# KiCad board EOutside.kicad_pcb (continued)
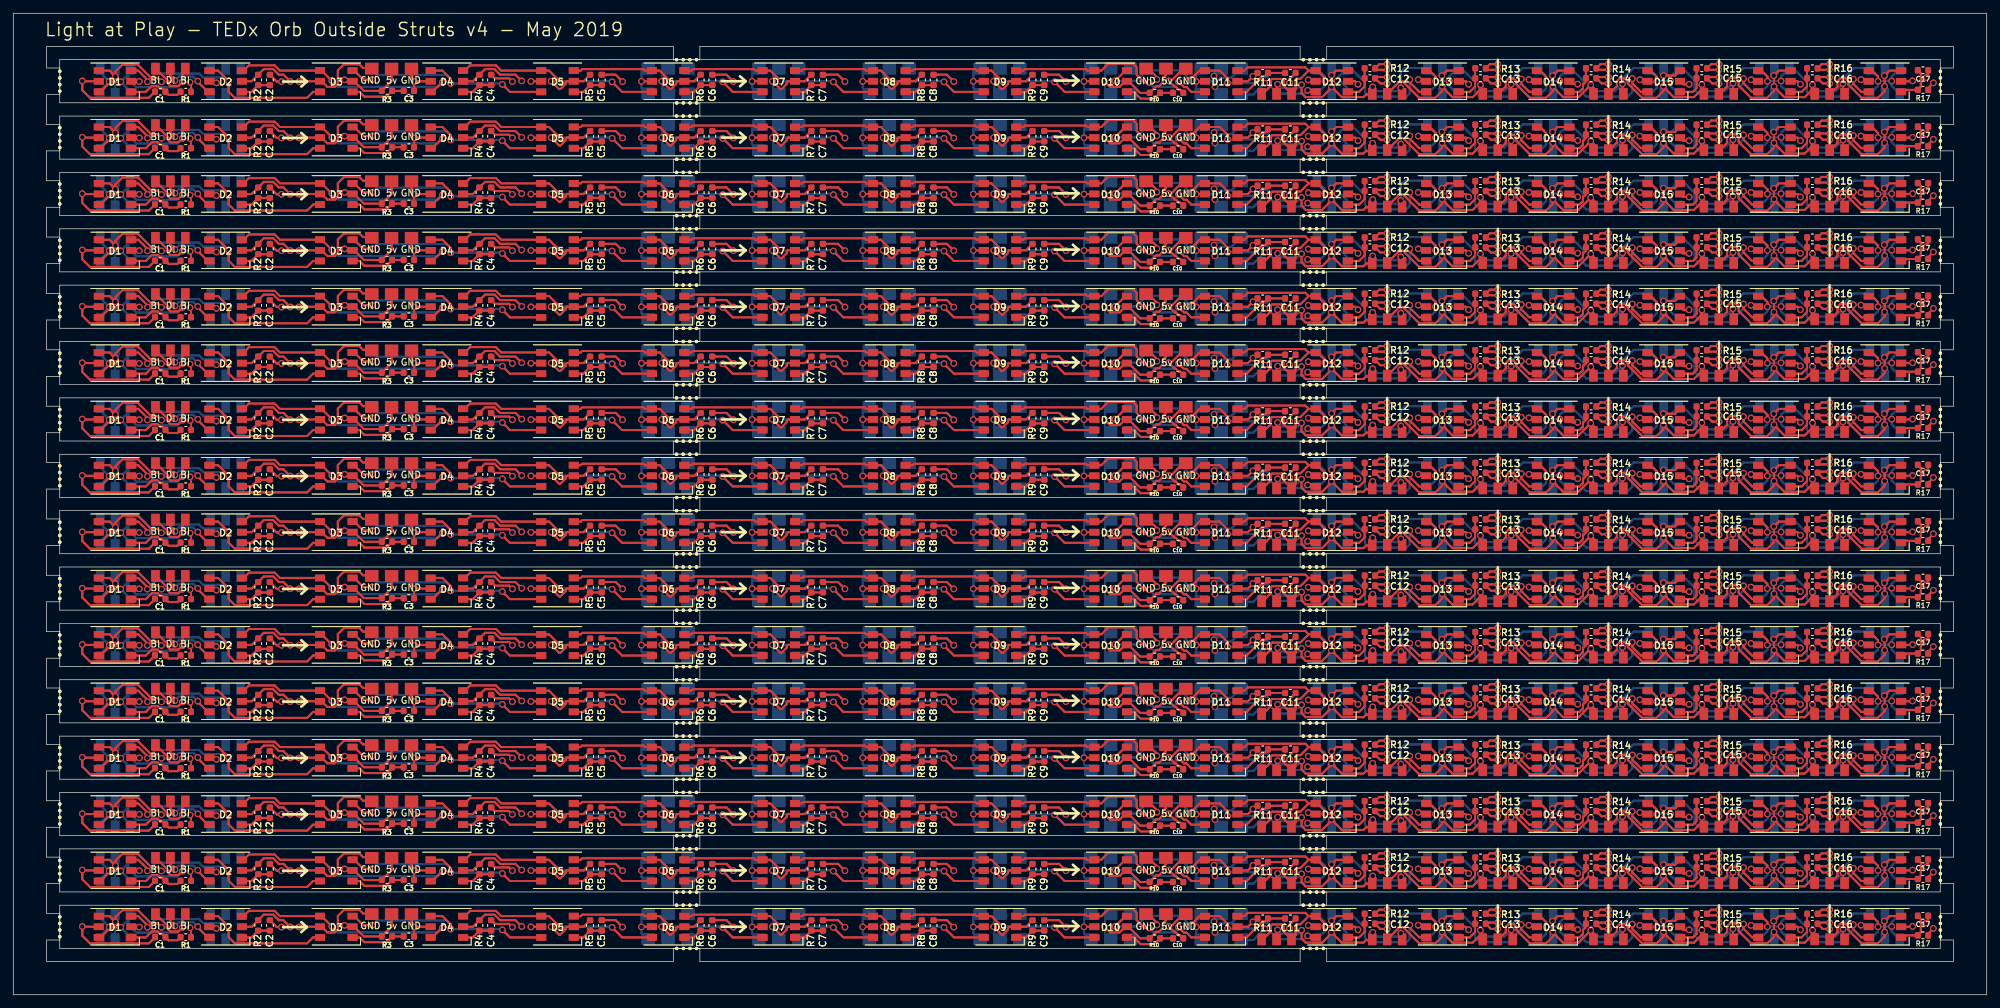
[diagram p0: board, top side]
## Routing (per net, layer and track width the routed paths; a pad name or vN(x,y) marks a point on that pad's centre or on a via; arc(x,y) is an arc through that point) (continued)
; 132.23,111.07 132.44,111.07 ; 132.44,111.07 133.21,111.84 ; 132.44,111.07 133.21,111.84 ; 133.21,112.05 133.21,111.84 ; 133.21,112.05 133.4,112.25 ; 133.21,112.05 133.21,111.84 ; 133.21,112.05 133.4,112.25 ; 119.25,112.25 R7#4.1 119.25,112.25 ; 119.25,112.25 D7#4.2 ; 119.25,112.25 D7#4.2 ; D7#4.2 116.73,112.25 ; D7#4.2 116.73,112.25 ; 115.56,111.07 v1(114.38,112.25) 115.56,111.07 ; 115.56,111.07 115.77,111.07 ; 115.56,111.07 115.77,111.07 ; 115.77,111.07 116.54,111.84 ; 115.77,111.07 116.54,111.84 ; 116.54,112.05 116.54,111.84 ; 116.54,112.05 116.73,112.25 ; 116.54,112.05 116.54,111.84 ; 116.54,112.05 116.73,112.25 ; 102.58,112.25 R6#4.1 102.58,112.25 ; 98.9,111.07 v1(97.72,112.25) 98.9,111.07 ; R3#4.1 52.82,110.8 ; R3#4.1 57,112.29 ; R3#4.1 52.82,110.8 ; R3#4.1 57,112.29 ; 52.82,110.8 51.37,112.25 ; 52.82,110.8 51.37,112.25 ; 57,112.29 57,114.25 57,112.29 ; R10.1 169.78,136 ; R10.1 172.21,137 ; R10.1 169.78,136 ; R10.1 172.21,137 ; 169.78,136 168.03,137.75 ; 169.78,136 168.03,137.75 ; 172.63,137 173.2,137.57 ; 172.63,137 172.21,137 ; 172.63,137 172.21,137 ; 172.63,137 173.2,137.57 ; 173.2,137.57 173.2,138.23 ; 173.2,137.57 173.2,138.23 ; 173.2,138.23 173.67,138.7 ; 173.2,138.23 173.67,138.7 ; 173.67,138.7 173.67,139.75 173.67,138.7 ; 167.53,137.75 166.68,136.9 ; 167.53,137.75 D10.2 ; 167.53,137.75 166.68,136.9 ; 167.53,137.75 D10.2 ; 166.68,136.9 165.23,136.9 ; 166.68,136.9 165.23,136.9 ; 168.03,137.75 D10.2 ; 168.03,137.75 D10.2 ; 165.23,136.9 164.88,137.25 ; 165.23,136.9 164.88,137.25 ; 164.88,137.25 v1(164.38,137.75) 164.88,137.25 ; 71.07,139.58 72.5,139.58 ; 71.07,139.58 72.5,139.58 ; 72.5,139.58 73.34,138.74 ; 72.5,139.58 73.34,138.74 ; 75.66,138.74 v1(76.6,137.8) 75.66,138.74 ; 75.66,138.74 73.34,138.74 ; 75.66,138.74 73.34,138.74 ; 235,137.32 v1(235.71,137.32) 235,137.32 ; 235,137.32 234.88,137.32 ; 235,137.32 234.88,137.32 ; 251.79,137.29 v1(252.5,137.29) 251.79,137.29 ; 251.79,137.29 251.57,137.29 ; 251.79,137.29 251.57,137.29 ; 234.88,137.32 D14.2 234.88,137.32 ; 251.57,137.29 D15.2 251.57,137.29 ; 186.02,137.75 186.27,138 ; 186.02,137.75 D11.2 186.02,137.75 ; 186.02,137.75 186.27,138 ; 186.27,138 v1(186.77,138.5) ; 186.27,138 v1(186.77,138.5) ; v1(186.77,138.5) 186.96,138.5 ; v1(186.77,138.5) 186.96,138.5 ; 186.96,138.5 R11.1 186.96,138.5 ; 286.12,137.75 v1(286.17,137.8) 286.12,137.75 ; 286.12,137.75 D17.2 286.12,137.75 ; 288.52,136.73 v1(289.29,137.5) 288.52,136.73 ; 288.52,136.73 R17.1 288.52,136.73 ; 202.15,137.75 D12.2 202.15,137.75 ; 202.15,137.75 v1(202.6,137.3) 202.15,137.75 ; 18.94,137.75 D1.2 18.94,137.75 ; 18.94,137.75 v1(18.99,137.7) 18.94,137.75 ; 26.78,137.46 v1(26.64,137.6) 26.78,137.46 ; 26.78,137.46 R1.1 26.78,137.46 ; 205.81,140.33 R12.1 ; 205.81,140.33 v1(207,140.33) 205.81,140.33 ; 205.81,140.33 R12.1 ; R12.1 205.41,139.48 ; R12.1 205.41,139.48 ; 205.41,139.48 v2(207,139.48) 205.41,139.48 ; 41.23,138.21 v1(41.73,137.71) 41.23,138.21 ; 41.23,138.21 40.7,138.74 ; 41.23,138.21 40.7,138.74 ; 50.07,137.75 49.92,137.9 ; 50.07,137.75 D3.2 ; 50.07,137.75 49.92,137.9 ; 50.07,137.75 D3.2 ; 49.92,137.9 v1(49.92,137.97) 49.92,137.9 ; D3.2 51.37,137.75 ; D3.2 51.37,137.75 ; 39.17,139.58 40.01,138.74 ; 39.17,139.58 37.74,139.58 ; 39.17,139.58 40.01,138.74 ; 39.17,139.58 37.74,139.58 ; 40.01,138.74 40.7,138.74 ; 40.01,138.74 40.7,138.74 ; R3.1 52.82,136.3 ; R3.1 57,137.79 ; R3.1 52.82,136.3 ; R3.1 57,137.79 ; 52.82,136.3 51.37,137.75 ; 52.82,136.3 51.37,137.75 ; 57,137.79 57,139.75 57,137.79 ; R10#9.1 169.78,102 ; R10#9.1 172.21,103 ; R10#9.1 169.78,102 ; R10#9.1 172.21,103 ; 169.78,102 168.03,103.75 ; 169.78,102 168.03,103.75 ; 268.82,103.75 D16#11.2 268.82,103.75 ; 268.82,103.75 v1(269.27,103.3) 268.82,103.75 ; 255.81,106.33 v1(257,106.33) 255.81,106.33 ; 255.81,106.33 R15#11.1 ; 255.81,106.33 R15#11.1 ; 238.74,105.48 R14#10.1 ; 238.74,105.48 v2(240.33,105.48) 238.74,105.48 ; 238.74,105.48 R14#10.1 ; R14#10.1 239.14,106.33 ; R14#10.1 239.14,106.33 ; 272.07,105.48 271.85,105.7 ; 272.07,105.48 v2(273.67,105.48) 272.07,105.48 ; 272.07,105.48 271.85,105.7 ; 271.85,105.7 272.47,106.33 ; 271.85,105.7 272.47,106.33 ; 239.14,106.33 v1(240.33,106.33) 239.14,106.33 ; 222.07,105.48 v2(223.67,105.48) 222.07,105.48 ; 222.07,105.48 221.85,105.7 ; 222.07,105.48 221.85,105.7 ; 172.63,103 173.2,103.57 ; 172.63,103 172.21,103 ; 172.63,103 173.2,103.57 ; 172.63,103 172.21,103 ; 173.2,103.57 173.2,104.23 ; 173.2,103.57 173.2,104.23 ; 173.2,104.23 173.67,104.7 ; 173.2,104.23 173.67,104.7 ; 173.67,104.7 173.67,105.75 173.67,104.7 ; 167.53,103.75 166.68,102.9 ; 167.53,103.75 D10#13.2 ; 167.53,103.75 166.68,102.9 ; 167.53,103.75 D10#13.2 ; 166.68,102.9 165.23,102.9 ; 166.68,102.9 165.23,102.9 ; 168.03,103.75 D10#13.2 ; 168.03,103.75 D10#13.2 ; 165.23,102.9 164.88,103.25 ; 165.23,102.9 164.88,103.25 ; 164.88,103.25 v1(164.38,103.75) 164.88,103.25 ; 71.07,105.58 72.5,105.58 ; 71.07,105.58 R4#12.1 ; 71.07,105.58 R4#12.1 ; 71.07,105.58 72.5,105.58 ; 72.5,105.58 73.34,104.74 ; 72.5,105.58 73.34,104.74 ; 75.66,104.74 v1(76.6,103.8) 75.66,104.74 ; 75.66,104.74 73.34,104.74 ; 75.66,104.74 73.34,104.74 ; 272.47,106.33 v1(273.67,106.33) 272.47,106.33 ; R15#11.1 255.41,105.48 ; R15#11.1 255.41,105.48 ; 255.41,105.48 v2(257,105.48) 255.41,105.48 ; 222.47,106.33 v1(223.67,106.33) 222.47,106.33 ; 222.47,106.33 221.85,105.7 ; 222.47,106.33 221.85,105.7 ; 235,103.32 v1(235.71,103.32) 235,103.32 ; 235,103.32 234.88,103.32 ; 235,103.32 234.88,103.32 ; 251.79,103.29 v1(252.5,103.29) 251.79,103.29 ; 251.79,103.29 251.57,103.29 ; 251.79,103.29 251.57,103.29 ; 234.88,103.32 D14#11.2 234.88,103.32 ; 251.57,103.29 D15#12.2 251.57,103.29 ; 186.02,103.75 186.27,104 ; 186.02,103.75 D11#11.2 186.02,103.75 ; 186.02,103.75 186.27,104 ; 186.27,104 v1(186.77,104.5) ; 186.27,104 v1(186.77,104.5) ; v1(186.77,104.5) 186.96,104.5 ; v1(186.77,104.5) 186.96,104.5 ; 186.96,104.5 R11#9.1 186.96,104.5 ; 286.12,103.75 v1(286.17,103.8) 286.12,103.75 ; 286.12,103.75 D17#10.2 286.12,103.75 ; 288.52,102.73 v1(289.29,103.5) 288.52,102.73 ; 288.52,102.73 R17#11.1 288.52,102.73 ; 202.15,103.75 D12#11.2 202.15,103.75 ; 202.15,103.75 v1(202.6,103.3) 202.15,103.75 ; 18.94,103.75 D1#14.2 18.94,103.75 ; 18.94,103.75 v1(18.99,103.7) 18.94,103.75 ; 26.78,103.46 v1(26.64,103.6) 26.78,103.46 ; 26.78,103.46 R1#11.1 26.78,103.46 ; 205.81,106.33 R12#12.1 ; 205.81,106.33 v1(207,106.33) 205.81,106.33 ; 205.81,106.33 R12#12.1 ; R12#12.1 205.41,105.48 ; R12#12.1 205.41,105.48 ; 218.82,103.75 D13#11.2 218.82,103.75 ; 218.82,103.75 v1(219.27,103.3) 218.82,103.75 ; 205.41,105.48 v2(207,105.48) 205.41,105.48 ; 41.23,104.21 v1(41.73,103.71) 41.23,104.21 ; 41.23,104.21 40.7,104.74 ; 41.23,104.21 40.7,104.74 ; 69.25,103.75 R4#12.1 ; 69.25,103.75 D4#10.2 69.25,103.75 ; 69.25,103.75 R4#12.1 ; 50.07,103.75 49.92,103.9 ; 50.07,103.75 D3#11.2 ; 50.07,103.75 D3#11.2 ; 50.07,103.75 49.92,103.9 ; 49.92,103.9 v1(49.92,103.97) 49.92,103.9 ; D3#11.2 51.37,103.75 ; D3#11.2 51.37,103.75 ; 39.17,105.58 40.01,104.74 ; 39.17,105.58 37.74,105.58 ; 39.17,105.58 40.01,104.74 ; 39.17,105.58 37.74,105.58 ; 40.01,104.74 40.7,104.74 ; 40.01,104.74 40.7,104.74 ; 37.74,105.58 R2#11.1 ; 37.74,105.58 R2#11.1 ; R2#11.1 35.91,103.75 ; R2#11.1 35.91,103.75 ; 83.2,103.55 83.2,103.34 ; 83.2,103.55 83.4,103.75 ; 83.2,103.55 83.2,103.34 ; 83.2,103.55 83.4,103.75 ; 83.2,103.34 82.44,102.57 ; 83.2,103.34 82.44,102.57 ; 35.91,103.75 D2#12.2 35.91,103.75 ; 85.91,103.75 R5#12.1 85.91,103.75 ; 85.91,103.75 D5#11.2 ; 85.91,103.75 D5#11.2 ; 82.44,102.57 82.23,102.57 ; 82.44,102.57 82.23,102.57 ; 82.23,102.57 v1(81.05,103.75) 82.23,102.57 ; D5#11.2 83.4,103.75 ; D5#11.2 83.4,103.75 ; 99.87,103.34 99.11,102.57 ; 99.87,103.34 99.87,103.55 ; 99.87,103.34 99.11,102.57 ; 99.87,103.34 99.87,103.55 ; 99.11,102.57 98.9,102.57 ; 99.11,102.57 98.9,102.57 ; 100.07,103.75 99.87,103.55 ; 100.07,103.75 D6#14.2 ; 100.07,103.75 99.87,103.55 ; 100.07,103.75 D6#14.2 ; D6#14.2 102.58,103.75 ; D6#14.2 102.58,103.75 ; 148.9,102.57 v1(147.72,103.75) 148.9,102.57 ; 148.9,102.57 149.11,102.57 ; 148.9,102.57 149.11,102.57 ; 149.11,102.57 149.87,103.34 ; 149.11,102.57 149.87,103.34 ; 150.07,103.75 149.87,103.55 ; 150.07,103.75 D9#11.2 ; 150.07,103.75 149.87,103.55 ; 150.07,103.75 D9#11.2 ; 149.87,103.55 149.87,103.34 ; 149.87,103.55 149.87,103.34 ; D9#11.2 152.58,103.75 ; D9#11.2 152.58,103.75 ; 152.58,103.75 R9#14.1 152.58,103.75 ; 135.91,103.75 R8#12.1 135.91,103.75 ; 135.91,103.75 D8#13.2 ; 135.91,103.75 D8#13.2 ; D8#13.2 133.4,103.75 ; D8#13.2 133.4,103.75 ; 132.23,102.57 v1(131.05,103.75) 132.23,102.57 ; 132.23,102.57 132.44,102.57 ; 132.23,102.57 132.44,102.57 ; 132.44,102.57 133.21,103.34 ; 132.44,102.57 133.21,103.34 ; 133.21,103.55 133.21,103.34 ; 133.21,103.55 133.4,103.75 ; 133.21,103.55 133.21,103.34 ; 133.21,103.55 133.4,103.75 ; 119.25,103.75 R7#12.1 119.25,103.75 ; 119.25,103.75 D7#13.2 ; 119.25,103.75 D7#13.2 ; D7#13.2 116.73,103.75 ; D7#13.2 116.73,103.75 ; 115.56,102.57 v1(114.38,103.75) 115.56,102.57 ; 115.56,102.57 115.77,102.57 ; 115.56,102.57 115.77,102.57 ; 115.77,102.57 116.54,103.34 ; 115.77,102.57 116.54,103.34 ; 116.54,103.55 116.54,103.34 ; 116.54,103.55 116.73,103.75 ; 116.54,103.55 116.54,103.34 ; 116.54,103.55 116.73,103.75 ; 102.58,103.75 R6#12.1 102.58,103.75 ; 98.9,102.57 v1(97.72,103.75) 98.9,102.57 ; R3#13.1 52.82,102.3 ; R3#13.1 57,103.79 ; R3#13.1 52.82,102.3 ; R3#13.1 57,103.79 ; 52.82,102.3 51.37,103.75 ; 52.82,102.3 51.37,103.75 ; 57,103.79 57,105.75 57,103.79 ; R10#14.1 169.78,93.5 ; R10#14.1 172.21,94.5 ; R10#14.1 169.78,93.5 ; R10#14.1 172.21,94.5 ; 169.78,93.5 168.03,95.25 ; 169.78,93.5 168.03,95.25 ; 268.82,95.25 D16#13.2 268.82,95.25 ; 268.82,95.25 v1(269.27,94.8) 268.82,95.25 ; 255.81,97.83 v1(257,97.83) 255.81,97.83 ; 255.81,97.83 R15#15.1 ; 255.81,97.83 R15#15.1 ; 238.74,96.98 R14#12.1 ; 238.74,96.98 v2(240.33,96.98) 238.74,96.98 ; 238.74,96.98 R14#12.1 ; R14#12.1 239.14,97.83 ; R14#12.1 239.14,97.83 ; 272.07,96.98 271.85,97.2 ; 272.07,96.98 v2(273.67,96.98) 272.07,96.98 ; 272.07,96.98 271.85,97.2 ; 271.85,97.2 272.47,97.83 ; 271.85,97.2 272.47,97.83 ; 239.14,97.83 v1(240.33,97.83) 239.14,97.83 ; 222.07,96.98 v2(223.67,96.98) 222.07,96.98 ; 222.07,96.98 221.85,97.2 ; 222.07,96.98 221.85,97.2 ; 172.63,94.5 173.2,95.07 ; 172.63,94.5 172.21,94.5 ; 172.63,94.5 173.2,95.07 ; 172.63,94.5 172.21,94.5 ; 173.2,95.07 173.2,95.73 ; 173.2,95.07 173.2,95.73 ; 173.2,95.73 173.67,96.2 ; 173.2,95.73 173.67,96.2 ; 173.67,96.2 173.67,97.25 173.67,96.2 ; 167.53,95.25 166.68,94.4 ; 167.53,95.25 D10#15.2 ; 167.53,95.25 166.68,94.4 ; 167.53,95.25 D10#15.2 ; 166.68,94.4 165.23,94.4 ; 166.68,94.4 165.23,94.4 ; 168.03,95.25 D10#15.2 ; 168.03,95.25 D10#15.2 ; 165.23,94.4 164.88,94.75 ; 165.23,94.4 164.88,94.75 ; 164.88,94.75 v1(164.38,95.25) 164.88,94.75 ; 71.07,97.08 72.5,97.08 ; 71.07,97.08 R4#15.1 ; 71.07,97.08 R4#15.1 ; 71.07,97.08 72.5,97.08 ; 72.5,97.08 73.34,96.24 ; 72.5,97.08 73.34,96.24 ; 75.66,96.24 v1(76.6,95.3) 75.66,96.24 ; 75.66,96.24 73.34,96.24 ; 75.66,96.24 73.34,96.24 ; 272.47,97.83 v1(273.67,97.83) 272.47,97.83 ; R15#15.1 255.41,96.98 ; R15#15.1 255.41,96.98 ; 255.41,96.98 v2(257,96.98) 255.41,96.98 ; 222.47,97.83 v1(223.67,97.83) 222.47,97.83 ; 222.47,97.83 221.85,97.2 ; 222.47,97.83 221.85,97.2 ; 235,94.82 v1(235.71,94.82) 235,94.82 ; 235,94.82 234.88,94.82 ; 235,94.82 234.88,94.82 ; 251.79,94.79 v1(252.5,94.79) 251.79,94.79 ; 251.79,94.79 251.57,94.79 ; 251.79,94.79 251.57,94.79 ; 234.88,94.82 D14#14.2 234.88,94.82 ; 251.57,94.79 D15#14.2 251.57,94.79 ; 186.02,95.25 186.27,95.5 ; 186.02,95.25 D11#15.2 186.02,95.25 ; 186.02,95.25 186.27,95.5 ; 186.27,95.5 v1(186.77,96) ; 186.27,95.5 v1(186.77,96) ; v1(186.77,96) 186.96,96 ; v1(186.77,96) 186.96,96 ; 186.96,96 R11#14.1 186.96,96 ; 286.12,95.25 v1(286.17,95.3) 286.12,95.25 ; 286.12,95.25 D17#11.2 286.12,95.25 ; 288.52,94.23 v1(289.29,95) 288.52,94.23 ; 288.52,94.23 R17#13.1 288.52,94.23 ; 202.15,95.25 D12#15.2 202.15,95.25 ; 202.15,95.25 v1(202.6,94.8) 202.15,95.25 ; 18.94,95.25 D1#11.2 18.94,95.25 ; 18.94,95.25 v1(18.99,95.2) 18.94,95.25 ; 26.78,94.96 v1(26.64,95.1) 26.78,94.96 ; 26.78,94.96 R1#14.1 26.78,94.96 ; 205.81,97.83 R12#14.1 ; 205.81,97.83 v1(207,97.83) 205.81,97.83 ; 205.81,97.83 R12#14.1 ; R12#14.1 205.41,96.98 ; R12#14.1 205.41,96.98 ; 218.82,95.25 D13#14.2 218.82,95.25 ; 218.82,95.25 v1(219.27,94.8) 218.82,95.25 ; 205.41,96.98 v2(207,96.98) 205.41,96.98 ; 41.23,95.71 v1(41.73,95.21) 41.23,95.71 ; 41.23,95.71 40.7,96.24 ; 41.23,95.71 40.7,96.24 ; 69.25,95.25 R4#15.1 ; 69.25,95.25 D4#11.2 69.25,95.25 ; 69.25,95.25 R4#15.1 ; 50.07,95.25 49.92,95.4 ; 50.07,95.25 D3#13.2 ; 50.07,95.25 49.92,95.4 ; 50.07,95.25 D3#13.2 ; 49.92,95.4 v1(49.92,95.47) 49.92,95.4 ; D3#13.2 51.37,95.25 ; D3#13.2 51.37,95.25 ; 39.17,97.08 40.01,96.24 ; 39.17,97.08 37.74,97.08 ; 39.17,97.08 40.01,96.24 ; 39.17,97.08 37.74,97.08 ; 40.01,96.24 40.7,96.24 ; 40.01,96.24 40.7,96.24 ; 37.74,97.08 R2#14.1 ; 37.74,97.08 R2#14.1 ; R2#14.1 35.91,95.25 ; R2#14.1 35.91,95.25 ; 83.2,95.05 83.2,94.84 ; 83.2,95.05 83.4,95.25 ; 83.2,95.05 83.4,95.25 ; 83.2,95.05 83.2,94.84 ; 83.2,94.84 82.44,94.07 ; 83.2,94.84 82.44,94.07 ; 35.91,95.25 D2#14.2 35.91,95.25 ; 85.91,95.25 R5#15.1 85.91,95.25 ; 85.91,95.25 D5#15.2 ; 85.91,95.25 D5#15.2 ; 82.44,94.07 82.23,94.07 ; 82.44,94.07 82.23,94.07 ; 82.23,94.07 v1(81.05,95.25) 82.23,94.07 ; D5#15.2 83.4,95.25 ; D5#15.2 83.4,95.25 ; 99.87,94.84 99.11,94.07 ; 99.87,94.84 99.87,95.05 ; 99.87,94.84 99.11,94.07 ; 99.87,94.84 99.87,95.05 ; 99.11,94.07 98.9,94.07 ; 99.11,94.07 98.9,94.07 ; 100.07,95.25 99.87,95.05 ; 100.07,95.25 D6#13.2 ; 100.07,95.25 99.87,95.05 ; 100.07,95.25 D6#13.2 ; D6#13.2 102.58,95.25 ; D6#13.2 102.58,95.25 ; 148.9,94.07 v1(147.72,95.25) 148.9,94.07 ; 148.9,94.07 149.11,94.07 ; 148.9,94.07 149.11,94.07 ; 149.11,94.07 149.87,94.84 ; 149.11,94.07 149.87,94.84 ; 150.07,95.25 149.87,95.05 ; 150.07,95.25 D9#14.2 ; 150.07,95.25 149.87,95.05 ; 150.07,95.25 D9#14.2 ; 149.87,95.05 149.87,94.84 ; 149.87,95.05 149.87,94.84 ; D9#14.2 152.58,95.25 ; D9#14.2 152.58,95.25 ; 152.58,95.25 R9#13.1 152.58,95.25 ; 135.91,95.25 R8#15.1 135.91,95.25 ; 135.91,95.25 D8#15.2 ; 135.91,95.25 D8#15.2 ; D8#15.2 133.4,95.25 ; D8#15.2 133.4,95.25 ; 132.23,94.07 v1(131.05,95.25) 132.23,94.07 ; 132.23,94.07 132.44,94.07 ; 132.23,94.07 132.44,94.07 ; 132.44,94.07 133.21,94.84 ; 132.44,94.07 133.21,94.84 ; 133.21,95.05 133.21,94.84 ; 133.21,95.05 133.4,95.25 ; 133.21,95.05 133.21,94.84 ; 133.21,95.05 133.4,95.25 ; 119.25,95.25 R7#15.1 119.25,95.25 ; 119.25,95.25 D7#15.2 ; 119.25,95.25 D7#15.2 ; D7#15.2 116.73,95.25 ; D7#15.2 116.73,95.25 ; 115.56,94.07 v1(114.38,95.25) 115.56,94.07 ; 115.56,94.07 115.77,94.07 ; 115.56,94.07 115.77,94.07 ; 115.77,94.07 116.54,94.84 ; 115.77,94.07 116.54,94.84 ; 116.54,95.05 116.54,94.84 ; 116.54,95.05 116.73,95.25 ; 116.54,95.05 116.54,94.84 ; 116.54,95.05 116.73,95.25 ; 102.58,95.25 R6#15.1 102.58,95.25 ; 98.9,94.07 v1(97.72,95.25) 98.9,94.07 ; R3#15.1 52.82,93.8 ; R3#15.1 57,95.29 ; R3#15.1 52.82,93.8 ; R3#15.1 57,95.29 ; 52.82,93.8 51.37,95.25 ; 52.82,93.8 51.37,95.25 ; 57,95.29 57,97.25 57,95.29 ; R3#10.1 52.82,76.8 ; R3#10.1 57,78.29 ; R3#10.1 52.82,76.8 ; R3#10.1 57,78.29 ; 52.82,76.8 51.37,78.25 ; 52.82,76.8 51.37,78.25 ; 51.37,78.25 D3#10.2 ; 51.37,78.25 D3#10.2 ; D3#10.2 50.07,78.25 ; D3#10.2 50.07,78.25 ; 57,78.29 57,80.25 57,78.29 ; 73.34,79.24 75.66,79.24 ; 73.34,79.24 72.5,80.08 ; 73.34,79.24 75.66,79.24 ; 73.34,79.24 72.5,80.08 ; 75.66,79.24 v1(76.6,78.3) 75.66,79.24 ; 72.5,80.08 71.07,80.08 ; 72.5,80.08 71.07,80.08 ; R4#10.1 71.07,80.08 ; R4#10.1 69.25,78.25 ; R4#10.1 71.07,80.08 ; R4#10.1 69.25,78.25 ; 41.23,78.71 v1(41.73,78.21) 41.23,78.71 ; 41.23,78.71 40.7,79.24 ; 41.23,78.71 40.7,79.24 ; 69.25,78.25 D4#14.2 69.25,78.25 ; 50.07,78.25 49.92,78.4 ; 50.07,78.25 49.92,78.4 ; 49.92,78.4 v1(49.92,78.47) 49.92,78.4 ; 39.17,80.08 40.01,79.24 ; 39.17,80.08 37.74,80.08 ; 39.17,80.08 40.01,79.24 ; 39.17,80.08 37.74,80.08 ; 40.01,79.24 40.7,79.24 ; 40.01,79.24 40.7,79.24 ; 37.74,80.08 R2#12.1 ; 37.74,80.08 R2#12.1 ; R2#12.1 35.91,78.25 ; R2#12.1 35.91,78.25 ; 83.2,78.05 83.2,77.84 ; 83.2,78.05 83.4,78.25 ; 83.2,78.05 83.2,77.84 ; 83.2,78.05 83.4,78.25 ; 83.2,77.84 82.44,77.07 ; 83.2,77.84 82.44,77.07 ; 35.91,78.25 D2#11.2 35.91,78.25 ; 85.91,78.25 R5#10.1 85.91,78.25 ; 85.91,78.25 D5#9.2 ; 85.91,78.25 D5#9.2 ; 82.44,77.07 82.23,77.07 ; 82.44,77.07 82.23,77.07 ; 82.23,77.07 v1(81.05,78.25) 82.23,77.07 ; D5#9.2 83.4,78.25 ; D5#9.2 83.4,78.25 ; 99.87,77.84 99.11,77.07 ; 99.87,77.84 99.87,78.05 ; 99.87,77.84 99.87,78.05 ; 99.87,77.84 99.11,77.07 ; 99.11,77.07 98.9,77.07 ; 99.11,77.07 98.9,77.07 ; 100.07,78.25 99.87,78.05 ; 100.07,78.25 D6#9.2 ; 100.07,78.25 99.87,78.05 ; 100.07,78.25 D6#9.2 ; D6#9.2 102.58,78.25 ; D6#9.2 102.58,78.25 ; 148.9,77.07 v1(147.72,78.25) 148.9,77.07 ; 148.9,77.07 149.11,77.07 ; 148.9,77.07 149.11,77.07 ; 149.11,77.07 149.87,77.84 ; 149.11,77.07 149.87,77.84 ; 150.07,78.25 149.87,78.05 ; 150.07,78.25 D9#12.2 ; 150.07,78.25 149.87,78.05 ; 150.07,78.25 D9#12.2 ; 149.87,78.05 149.87,77.84 ; 149.87,78.05 149.87,77.84 ; D9#12.2 152.58,78.25 ; D9#12.2 152.58,78.25 ; 152.58,78.25 R9#9.1 152.58,78.25 ; 135.91,78.25 R8#10.1 135.91,78.25 ; 135.91,78.25 D8#10.2 ; 135.91,78.25 D8#10.2 ; D8#10.2 133.4,78.25 ; D8#10.2 133.4,78.25 ; 132.23,77.07 v1(131.05,78.25) 132.23,77.07 ; 132.23,77.07 132.44,77.07 ; 132.23,77.07 132.44,77.07 ; 132.44,77.07 133.21,77.84 ; 132.44,77.07 133.21,77.84 ; 133.21,78.05 133.21,77.84 ; 133.21,78.05 133.4,78.25 ; 133.21,78.05 133.21,77.84 ; 133.21,78.05 133.4,78.25 ; 119.25,78.25 R7#10.1 119.25,78.25 ; 119.25,78.25 D7#10.2 ; 119.25,78.25 D7#10.2 ; D7#10.2 116.73,78.25 ; D7#10.2 116.73,78.25 ; 115.56,77.07 v1(114.38,78.25) 115.56,77.07 ; 115.56,77.07 115.77,77.07 ; 115.56,77.07 115.77,77.07 ; 115.77,77.07 116.54,77.84 ; 115.77,77.07 116.54,77.84 ; 116.54,78.05 116.54,77.84 ; 116.54,78.05 116.73,78.25 ; 116.54,78.05 116.54,77.84 ; 116.54,78.05 116.73,78.25 ; 102.58,78.25 R6#10.1 102.58,78.25 ; 98.9,77.07 v1(97.72,78.25) 98.9,77.07 ; 26.78,77.96 R1#13.1 26.78,77.96 ; 26.78,77.96 v1(26.64,78.1) 26.78,77.96 ; 205.81,80.83 R12#11.1 ; 205.81,80.83 v1(207,80.83) 205.81,80.83 ; 205.81,80.83 R12#11.1 ; R12#11.1 205.41,79.98 ; R12#11.1 205.41,79.98 ; 218.82,78.25 D13#9.2 218.82,78.25 ; 218.82,78.25 v1(219.27,77.8) 218.82,78.25 ; 222.07,79.98 221.85,80.2 ; 222.07,79.98 v2(223.67,79.98) 222.07,79.98 ; 222.07,79.98 221.85,80.2 ; 221.85,80.2 222.47,80.83 ; 221.85,80.2 222.47,80.83 ; 205.41,79.98 v2(207,79.98) 205.41,79.98 ; 239.14,80.83 v1(240.33,80.83) 239.14,80.83 ; 239.14,80.83 R14#11.1 ; 239.14,80.83 R14#11.1 ; R10#10.1 169.78,76.5 ; R10#10.1 172.21,77.5 ; R10#10.1 169.78,76.5 ; R10#10.1 172.21,77.5 ; 169.78,76.5 168.03,78.25 ; 169.78,76.5 168.03,78.25 ; 268.82,78.25 D16#10.2 268.82,78.25 ; 268.82,78.25 v1(269.27,77.8) 268.82,78.25 ; 255.81,80.83 v1(257,80.83) 255.81,80.83 ; 255.81,80.83 R15#9.1 ; 255.81,80.83 R15#9.1 ; 238.74,79.98 R14#11.1 ; 238.74,79.98 v2(240.33,79.98) 238.74,79.98 ; 238.74,79.98 R14#11.1 ; 272.07,79.98 271.85,80.2 ; 272.07,79.98 v2(273.67,79.98) 272.07,79.98 ; 272.07,79.98 271.85,80.2 ; 271.85,80.2 272.47,80.83 ; 271.85,80.2 272.47,80.83 ; 172.63,77.5 173.2,78.07 ; 172.63,77.5 172.21,77.5 ; 172.63,77.5 173.2,78.07 ; 172.63,77.5 172.21,77.5 ; 173.2,78.07 173.2,78.73 ; 173.2,78.07 173.2,78.73 ; 173.2,78.73 173.67,79.2 ; 173.2,78.73 173.67,79.2 ; 173.67,79.2 173.67,80.25 173.67,79.2 ; 167.53,78.25 166.68,77.4 ; 167.53,78.25 D10#10.2 ; 167.53,78.25 166.68,77.4 ; 167.53,78.25 D10#10.2 ; 166.68,77.4 165.23,77.4 ; 166.68,77.4 165.23,77.4 ; 168.03,78.25 D10#10.2 ; 168.03,78.25 D10#10.2 ; 165.23,77.4 164.88,77.75 ; 165.23,77.4 164.88,77.75 ; 164.88,77.75 v1(164.38,78.25) 164.88,77.75 ; 272.47,80.83 v1(273.67,80.83) 272.47,80.83 ; R15#9.1 255.41,79.98 ; R15#9.1 255.41,79.98 ; 255.41,79.98 v2(257,79.98) 255.41,79.98 ; 222.47,80.83 v1(223.67,80.83) 222.47,80.83 ; 235,77.82 v1(235.71,77.82) 235,77.82 ; 235,77.82 234.88,77.82 ; 235,77.82 234.88,77.82 ; 251.79,77.79 v1(252.5,77.79) 251.79,77.79 ; 251.79,77.79 